# KiCad board keyboard.kicad_pcb (continued)
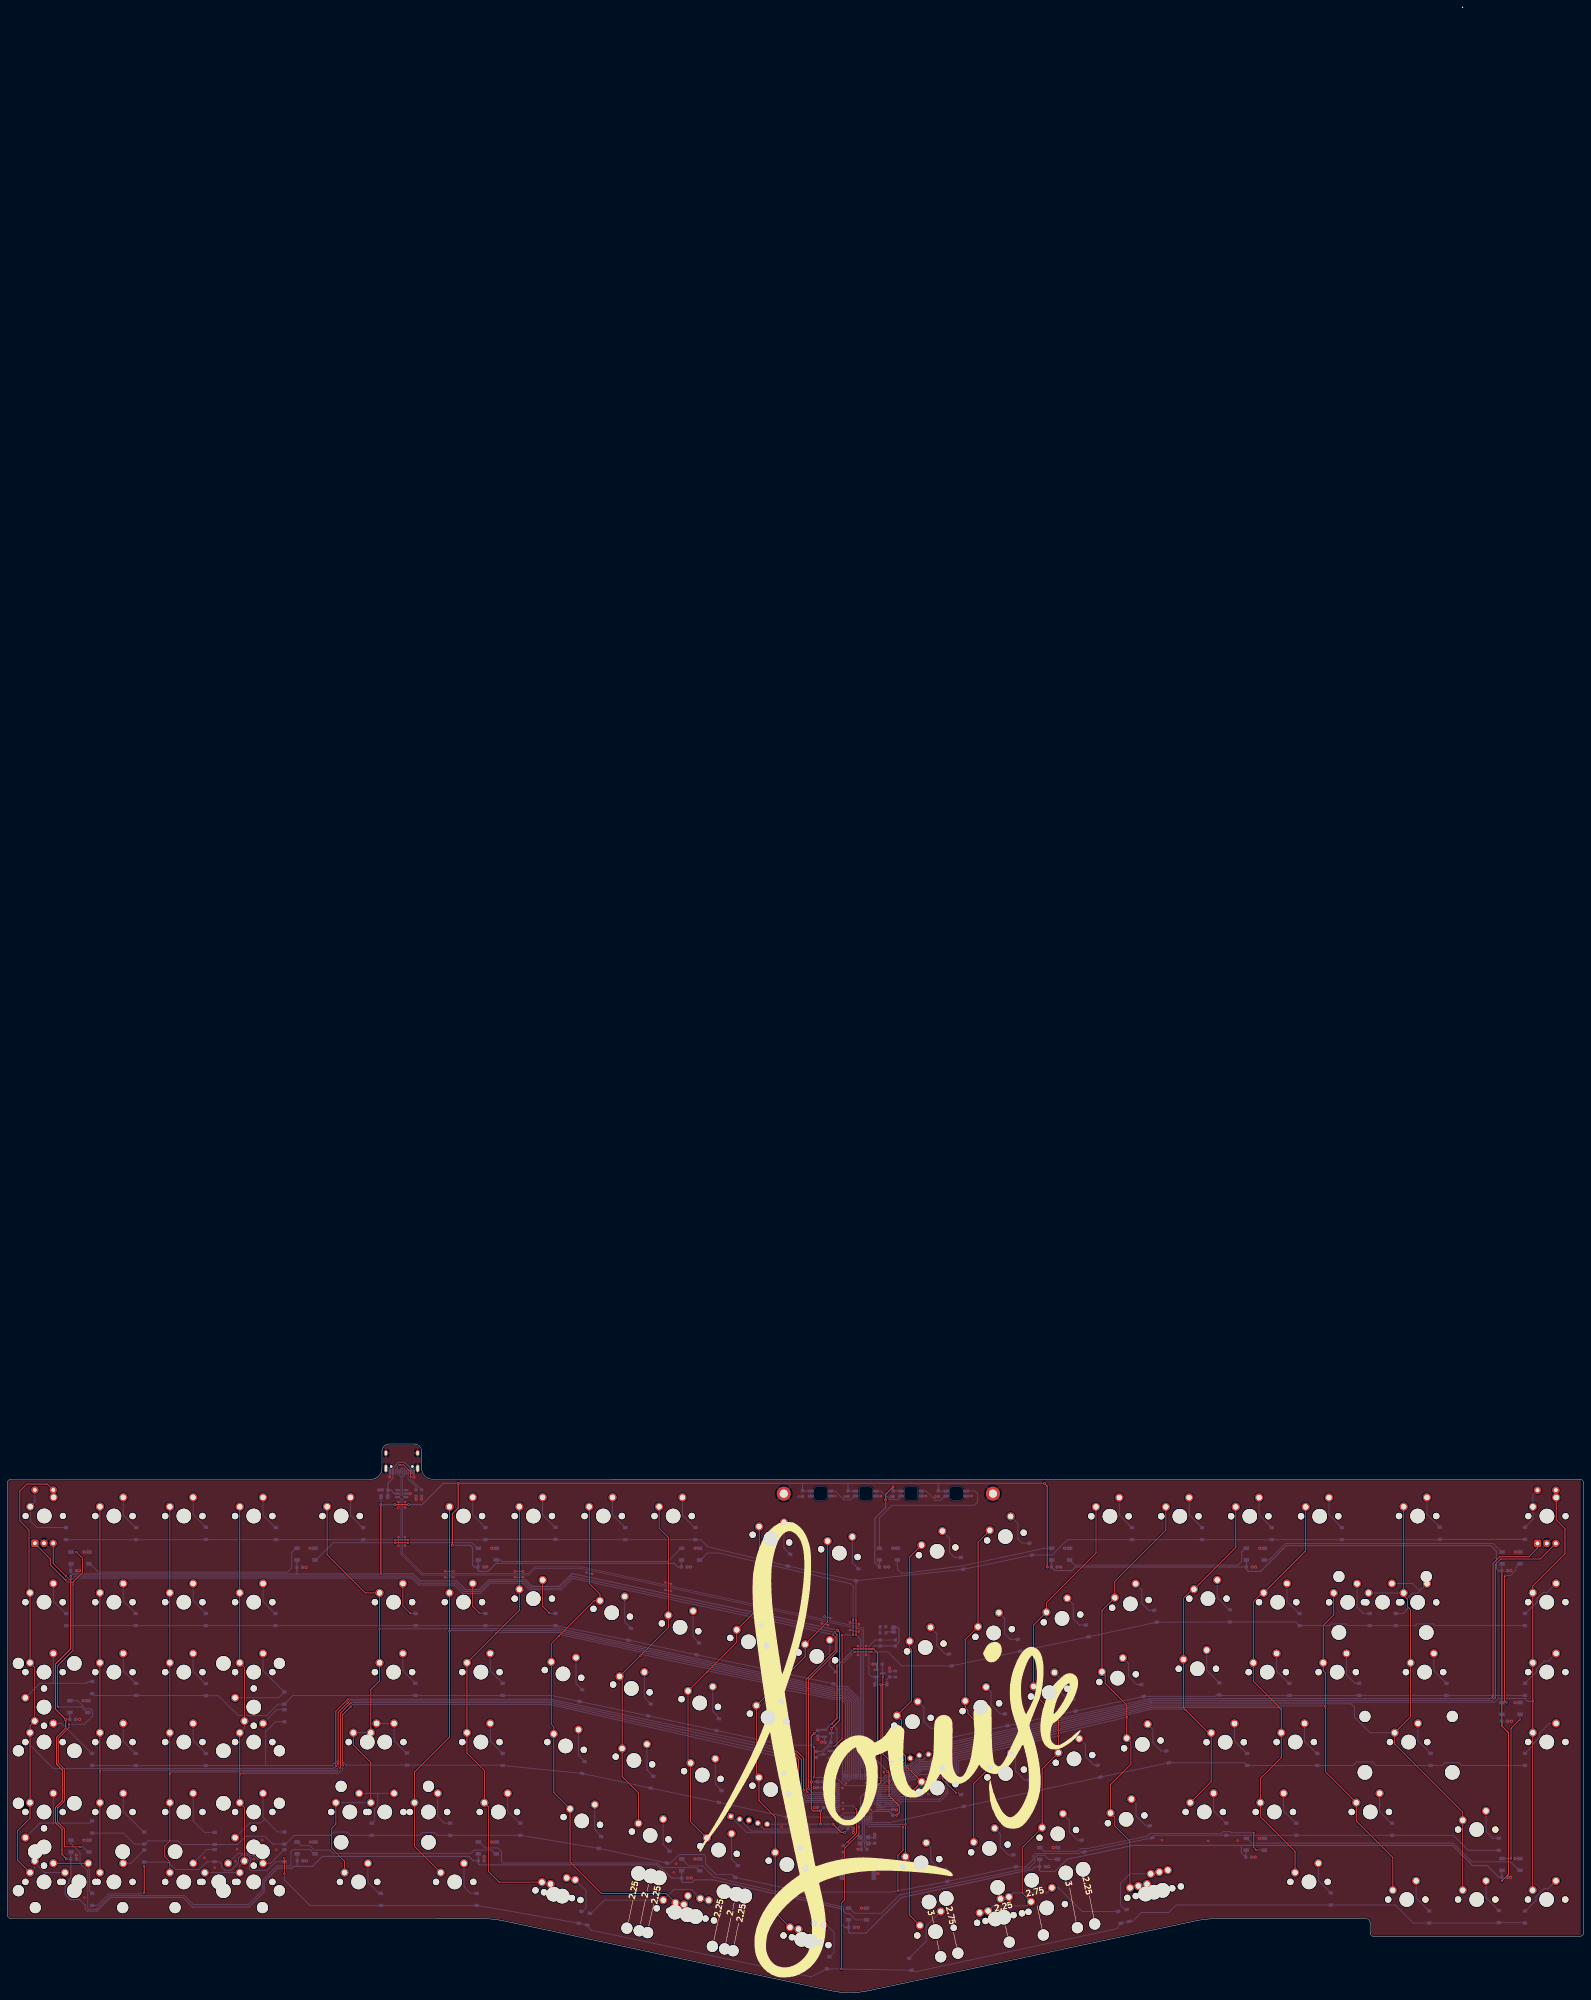
[diagram p0: board, top side]
## Library data of the parts
BZ1 = -: MPN: PKMCS0909E; Manufacturer: Murata Electronics
C1-C6 C8-C11 C13 C14 C16-C23 C30-C36 = -: LCSC: C14663; MPN: CC0603KRX7R9BB104; Manufacturer: YAGEO
C7 C12 C15 C24 C28 C29 = -: LCSC: C19666; MPN: CL10A475KO8NNNC; Manufacturer: Samsung Electro-Mechanics
C25 = -: LCSC: C96446; MPN: CL10A106MA8NRNC; Manufacturer: Samsung Electro-Mechanics
C26 C27 = -: LCSC: C1644; MPN: CL10C150JB8NNNC; Manufacturer: Samsung Electro-Mechanics
D1-D6 D11-D16 D21-D26 D29-D34 D38-D43 D47-D50 D54-D59 D61-D96 D98-D133 = -: LCSC: C81598; MPN: 1N4148W; Manufacturer: Semtech
D7-D10 D17-D20 D27 D28 D35-D37 D45 D51 D53 D134 D135 = -: LCSC: C2761795; MPN: WS2812B-B/W; Manufacturer: Worldsemi
D44 D46 D52 D60 = -: Manufacturer: Shenzhen LED Color
D97 = -: LCSC: C72041; MPN: 19-217/BHC-ZL1M2RY/3T; Manufacturer: Everlight Elec
F1 = -: LCSC: C66452; MPN: SMD0805-050; Manufacturer: TECHFUSE
H1 H2 J2 J3 JP1 LOGO2 LOGO3 SW1-SW56 SW58-SW129 = -: DNP: DNP
J1 = -: LCSC: C165948; MPN: TYPE-C-31-M-12; Manufacturer: Korean Hroparts Elec
Q1 = -: LCSC: C8545; Manufacturer: Changjiang Electronics Tech (CJ)
Q2 = -: LCSC: C145108; MPN: DDTC123JCA-7-F; Manufacturer: Diodes Incorporated
R1-R4 R6 = -: LCSC: C23186; MPN: 0603WAF5101T5E; Manufacturer: UNI-ROYAL(Uniroyal Elec)
R5 = -: LCSC: C25803; MPN: 0603WAF1003T5E; Manufacturer: UNI-ROYAL(Uniroyal Elec)
R7 = -: LCSC: C22843; MPN: 0603WAF1501T5E; Manufacturer: UNI-ROYAL(Uniroyal Elec)
R8 = -: LCSC: C23345; MPN: 0603WAF220JT5E; Manufacturer: UNI-ROYAL(Uniroyal Elec)
SW57 = -: LCSC: C99271; MPN: KMR231GLFS; Manufacturer: C&K
U1 = -: LCSC: C85364; MPN: XC6206P332MR; Manufacturer: ProTek Devices
U2 = -: LCSC: C5446; Manufacturer: Torex Semicon
U3 = -: LCSC: C130453; Manufacturer: STMicroelectronics
Y1 = -: LCSC: C403948; MPN: TAXM8M4RFDCET2T; Manufacturer: TAE(Zhejiang Abel Elec)

## Footprints (pads in the part's own frame, mm; a bottom-side part is the same pattern mirrored in y, then rotated)
5_PIN_THT_Staggered
  rrect 1.7x1.7 hole 1: 1(0.127,0)
  oval 1.7x1.7 hole 1: 2(-0.127,-2.54) 3(0.127,-5.08) 4(-0.127,-7.62) 5(0.127,-10.16)
Buzzer_Murata_PKMCS0909E
  rect 1.3x3.4 smd: 1(-4.35,0) 2(4.35,0)
C_0603_1608Metric
  rrect 0.9x0.95 smd: 1(-0.775,0) 2(0.775,0)
Crystal_SMD_3225-4Pin_3.2x2.5mm
  rrect 1.4x1.2 smd: 1(-1.1,-0.85) 2(1.1,-0.85) 3(1.1,0.85) 4(-1.1,0.85)
D_SOD-123
  rect 0.9x1.2 smd: 1(-1.65,0) 2(1.65,0)
Fuse_0805_2012Metric
  rrect 0.975x1.4 smd: 1(-0.938,0) 2(0.938,0)
LED_0603_1608Metric
  rrect 0.875x0.95 smd: 1(-0.787,0) 2(0.787,0)
LED_WS2812B_PLCC4_5.0x5.0mm_P3.2mm
  rect 1.5x1 smd: 1(-2.45,1.6) 2(-2.45,-1.6) 3(2.45,-1.6) 4(2.45,1.6)
LQFP-64_10x10mm_P0.5mm
  rrect 1.55x0.3 smd: 1(-5.675,3.75) 2(-5.675,3.25) 3(-5.675,2.75) 4(-5.675,2.25) 5(-5.675,1.75) 6(-5.675,1.25) 7(-5.675,0.75) 8(-5.675,0.25) 9(-5.675,-0.25) 10(-5.675,-0.75) 11(-5.675,-1.25) 12(-5.675,-1.75) 13(-5.675,-2.25) 14(-5.675,-2.75) 15(-5.675,-3.25) 16(-5.675,-3.75) 33(5.675,-3.75) 34(5.675,-3.25) 35(5.675,-2.75) 36(5.675,-2.25) 37(5.675,-1.75) 38(5.675,-1.25) 39(5.675,-0.75) 40(5.675,-0.25) 41(5.675,0.25) 42(5.675,0.75) 43(5.675,1.25) 44(5.675,1.75) 45(5.675,2.25) 46(5.675,2.75) 47(5.675,3.25) 48(5.675,3.75)
  rrect 0.3x1.55 smd: 17(-3.75,-5.675) 18(-3.25,-5.675) 19(-2.75,-5.675) 20(-2.25,-5.675) 21(-1.75,-5.675) 22(-1.25,-5.675) 23(-0.75,-5.675) 24(-0.25,-5.675) 25(0.25,-5.675) 26(0.75,-5.675) 27(1.25,-5.675) 28(1.75,-5.675) 29(2.25,-5.675) 30(2.75,-5.675) 31(3.25,-5.675) 32(3.75,-5.675) 49(3.75,5.675) 50(3.25,5.675) 51(2.75,5.675) 52(2.25,5.675) 53(1.75,5.675) 54(1.25,5.675) 55(0.75,5.675) 56(0.25,5.675) 57(-0.25,5.675) 58(-0.75,5.675) 59(-1.25,5.675) 60(-1.75,5.675) 61(-2.25,5.675) 62(-2.75,5.675) 63(-3.25,5.675) 64(-3.75,5.675)
MountingHole_2.2mm_M2_DIN965_Pad
  round 3.8 hole 2.2: 1(0,0)
MX_KEYSWITCH_ENCODER
  round 1.7 hole 1.7 unplated: (-5.02,0.02) (5.14,0.02)
  round 4 hole 4 unplated: (0.06,0.02)
  rrect 2x2 hole 1: A(-2.5,-7.4)
  round 2 hole 1: B(2.5,-7.4) C(0,-7.4) S1(2.5,7.1) S2(-2.5,7.1)
  round 2.2 hole 1.5: S1(2.6,5.1) S2(-3.75,2.56)
MXOnly-1.5U-NoLED
  round 1.75 hole 1.75 unplated: (-5.08,0) (5.08,0)
  round 3.988 hole 3.988 unplated: (0,0)
  round 2.25 hole 1.47: 1(-3.81,2.54) 2(2.54,5.08)
MXOnly-1.25U-NoLED
  round 1.75 hole 1.75 unplated: (-5.08,0) (5.08,0)
  round 3.988 hole 3.988 unplated: (0,0)
  round 2.25 hole 1.47: 1(-3.81,2.54) 2(2.54,5.08)
MXOnly-1.75U-NoLED
  round 1.75 hole 1.75 unplated: (-5.08,0) (5.08,0)
  round 3.988 hole 3.988 unplated: (0,0)
  round 2.25 hole 1.47: 1(-3.81,2.54) 2(2.54,5.08)
MXOnly-1U-NoLED
  round 1.75 hole 1.75 unplated: (-5.08,0) (5.08,0)
  round 3.988 hole 3.988 unplated: (0,0)
  round 2.25 hole 1.47: 1(-3.81,2.54) 2(2.54,5.08)
MXOnly-2.25U-NoLED
  round 3.048 hole 3.048 unplated: (-11.906,6.985) (11.906,6.985)
  round 3.988 hole 3.988 unplated: (-11.906,-8.255) (0,0) (11.906,-8.255)
  round 1.75 hole 1.75 unplated: (-5.08,0) (5.08,0)
  round 2.25 hole 1.47: 1(-3.81,2.54) 2(2.54,5.08)
MXOnly-2.25U-ReversedStabilizers-NoLED
  round 3.988 hole 3.988 unplated: (-11.906,8.255) (0,0) (11.906,8.255)
  round 3.048 hole 3.048 unplated: (-11.906,-6.985) (11.906,-6.985)
  round 1.75 hole 1.75 unplated: (-5.08,0) (5.08,0)
  round 2.25 hole 1.47: 1(-3.81,2.54) 2(2.54,5.08)
MXOnly-2.75U-ReversedStabilizers-NoLED
  round 3.988 hole 3.988 unplated: (-11.906,8.255) (0,0) (11.906,8.255)
  round 3.048 hole 3.048 unplated: (-11.906,-6.985) (11.906,-6.985)
  round 1.75 hole 1.75 unplated: (-5.08,0) (5.08,0)
  round 2.25 hole 1.47: 1(-3.81,2.54) 2(2.54,5.08)
MXOnly-2U-NoLED
  round 3.048 hole 3.048 unplated: (-11.906,6.985) (11.906,6.985)
  round 3.988 hole 3.988 unplated: (-11.906,-8.255) (0,0) (11.906,-8.255)
  round 1.75 hole 1.75 unplated: (-5.08,0) (5.08,0)
  round 2.25 hole 1.47: 1(-3.81,2.54) 2(2.54,5.08)
MXOnly-2U-ReversedStabilizers-NoLED
  round 3.988 hole 3.988 unplated: (-11.906,8.255) (0,0) (11.906,8.255)
  round 3.048 hole 3.048 unplated: (-11.906,-6.985) (11.906,-6.985)
  round 1.75 hole 1.75 unplated: (-5.08,0) (5.08,0)
  round 2.25 hole 1.47: 1(-3.81,2.54) 2(2.54,5.08)
MXOnly-3U-ReversedStabilizers-NoLED
  round 3.988 hole 3.988 unplated: (-19.05,8.255) (0,0) (19.05,8.255)
  round 3.048 hole 3.048 unplated: (-19.05,-6.985) (19.05,-6.985)
  round 1.75 hole 1.75 unplated: (-5.08,0) (5.08,0)
  round 2.25 hole 1.47: 1(-3.81,2.54) 2(2.54,5.08)
R_0603_1608Metric
  rrect 0.8x0.95 smd: 1(-0.825,0) 2(0.825,0)
SK8612-MINI-E
  rrect 1.55x0.81 smd far side: 1(-2.7,0.7) 4(2.8,0.7)
  rrect 1.55x0.82 smd far side: 2(-2.7,-0.66)
  rect 1.55x0.82 smd far side: 3(2.8,-0.66)
SolderJumper-2_P1.3mm_Bridged_RoundedPad1.0x1.5mm
  custom 1x1.5 smd: 1(-0.65,0) 2(0.65,0)
SOT-23
  rrect 1.475x0.6 smd: 1(-0.938,0.95) 2(-0.938,-0.95) 3(0.938,0)
SOT-23-6
  rrect 1.325x0.6 smd: 1(-1.137,0.95) 2(-1.137,0) 3(-1.137,-0.95) 4(1.137,-0.95) 5(1.137,0) 6(1.137,0.95)
SW_Push_KMR2
  rrect 0.9x1 smd: 1(-2.05,0.8) 1(2.05,0.8) 2(-2.05,-0.8) 2(2.05,-0.8)
USB_C_Receptacle_HRO_TYPE-C-31-M-12
  rrect 1.5x2.1 smd: (-4.55,-1.05) (4.55,-1.05)
  rrect 1.5x2.5 smd: (-4.55,3.13) (4.55,3.13)
  round 0.65 hole 0.65 unplated: (-2.89,2.6) (2.89,2.6)
  rrect 0.6x1.45 smd: A1(-3.25,4.045) A4(-2.45,4.045) A9(2.45,4.045) A12(3.25,4.045) B1(3.25,4.045) B4(2.45,4.045) B9(-2.45,4.045) B12(-3.25,4.045)
  rrect 0.3x1.45 smd: A5(-1.25,4.045) A6(-0.25,4.045) A7(0.25,4.045) A8(1.25,4.045) B5(1.75,4.045) B6(0.75,4.045) B7(-0.75,4.045) B8(-1.75,4.045)
  oval 1x1.6 hole 0.6x1.2: S1(-4.32,-1.05) S1(4.32,-1.05)
  oval 1x2.1 hole 0.6x1.7: S1(-4.32,3.13) S1(4.32,3.13)

## Nets
+3V3: C15.2 C28.1 C29.1 C30.1 C31.1 C32.1 C33.1 C34.1 J2.5 J3.5 JP1.2 Q1.1 R1.1 R7.1 SW57.1 U2.2 U3.1 U3.13 U3.19 U3.32 U3.48 U3.64
+5V: C1.2 C2.2 C3.2 C4.2 C5.2 C6.2 C8.2 C9.2 C10.2 C11.2 C12.2 C13.2 C14.2 C16.2 C17.2 C18.2 C19.2 C20.2 C21.2 C22.2 C23.2 C35.2 C36.2 D7.1 D8.1 D9.1 D10.1 D17.1 D18.1 D19.1 D20.1 D27.1 D28.1 D35.1 D36.1 D37.1 D44.1 D45.1 D46.1 D51.1 D52.1 D53.1 D60.1 D134.1 D135.1 F1.1 R2.1 U2.3
GND: BZ1.2 C1.1 C2.1 C3.1 C4.1 C5.1 C6.1 C7.1 C8.1 C9.1 C10.1 C11.1 C12.1 C13.1 C14.1 C15.1 C16.1 C17.1 C18.1 C19.1 C20.1 C21.1 C22.1 C23.1 C24.2 C25.2 C26.2 C27.2 C28.2 C29.2 C30.2 C31.2 C32.2 C33.2 C34.2 C35.1 C36.1 D7.3 D8.3 D9.3 D10.3 D17.3 D18.3 D19.3 D20.3 D27.3 D28.3 D35.3 D36.3 D37.3 D44.3 D45.3 D46.3 D51.3 D52.3 D53.3 D60.3 D97.1 D134.3 D135.3 H1.1 H2.1 J1.A1 J1.A12 J1.B1 J1.B12 J1.S1 J2.3 J3.3 Q2.2 R3.1 R4.2 R5.2 SW1.C SW124.C U1.2 U2.1 U3.12 U3.31 U3.47 U3.63 Y1.2 Y1.4
VBUS: C7.2 F1.2 J1.A4 J1.A9 J1.B4 J1.B9 U1.5
/BOOT0: C25.1 D73.1 R5.1 U3.60
/BUZZER: R8.1 U3.20
/col0: SW1.S1 SW2.1 SW3.1 SW4.1 SW5.1 SW6.1 SW7.1 SW8.1 SW9.1 U3.25
/col1: SW10.1 SW11.1 SW12.1 SW13.1 SW14.1 SW15.1 U3.24
/col2: SW16.1 SW17.1 SW18.1 SW19.1 SW20.1 SW21.1 U3.23
/col3: SW22.1 SW23.1 SW24.1 SW25.1 SW26.1 SW27.1 SW28.1 SW29.1 SW30.1 U3.22
/col4: SW31.1 SW32.1 SW33.1 SW34.1 SW35.1 SW36.1 SW37.1 SW38.1 U3.40
/col5: SW39.1 SW40.1 SW41.1 SW42.1 U3.39
/col6: SW43.1 SW44.1 SW45.1 SW46.1 SW47.1 SW48.1 SW128.1 U3.38
/col7: SW49.1 SW50.1 SW51.1 SW52.1 SW53.1 SW54.1 SW55.1 SW129.2 U3.37
/col8: SW58.1 SW59.1 SW60.1 SW61.1 SW62.1 U3.35
/col9: SW64.1 SW65.1 SW66.1 SW67.1 SW68.1 U3.34
/col10: SW56.1 SW63.1 SW72.1 SW73.1 SW74.1 SW75.1 SW76.1 U3.33
/col11: SW69.1 SW78.1 SW79.1 SW80.1 SW81.1 SW82.1 U3.3
/col12: SW85.1 SW86.1 SW87.1 SW88.1 SW89.1 U3.62
/col13: SW70.1 SW71.1 SW77.1 SW91.1 SW92.1 SW93.1 SW94.1 SW95.1 U3.61
/col14: SW83.1 SW84.1 SW90.1 SW96.1 SW97.1 SW98.1 SW99.1 SW100.1 U3.59
/col15: SW101.1 SW102.1 SW103.1 SW104.1 SW105.1 U3.58
/col16: SW106.1 SW107.1 SW108.1 SW109.1 SW110.1 SW111.1 U3.57
/col17: SW112.1 SW114.1 SW115.1 SW117.1 U3.56
/col18: SW113.1 SW116.1 SW118.1 SW119.1 SW120.1 SW121.1 SW122.1 U3.55
/col19: SW123.1 SW124.S1 SW125.1 SW126.1 SW127.1 U3.53
/ENC0_A: SW1.A U3.29
/ENC0_B: SW1.B U3.30
/ENC1_A: SW124.A U3.51
/ENC1_B: SW124.B U3.52
/nRST: C24.1 J2.1 Q2.3 U3.7
/RGB_UG: Q1.2 R1.2 U3.36
/row0: D6.1 D11.1 D21.1 D29.1 D38.1 D47.1 D54.1 D61.1 D67.1 D74.1 D80.1 D86.1 D91.1 D98.1 D103.1 D108.1 D114.1 D120.1 D133.1 U3.42
/row1: D1.1 D12.1 D22.1 D30.1 D39.1 D48.1 D55.1 D62.1 D68.1 D75.1 D81.1 D87.1 D92.1 D99.1 D104.1 D109.1 D115.1 D121.1 D126.1 D130.1 U3.41
/row2: D2.1 D13.1 D23.1 D31.1 D40.1 D56.1 D63.1 D69.1 D76.1 D82.1 D88.1 D93.1 D100.1 D105.1 D110.1 D116.1 D122.1 D127.1 D131.1 U3.50
/row3: D3.1 D14.1 D24.1 D32.1 D41.1 D57.1 D64.1 D70.1 D77.1 D83.1 D89.1 D94.1 D101.1 D106.1 D111.1 D117.1 D123.1 D132.1 U3.2
/row4: D4.1 D15.1 D25.1 D33.1 D42.1 D49.1 D58.1 D65.1 D71.1 D78.1 D84.1 D90.1 D95.1 D102.1 D107.1 D112.1 D118.1 D124.1 D128.1 U3.4
/row5: D5.1 D16.1 D26.1 D34.1 D43.1 D50.1 D59.1 D66.1 D72.1 D79.1 D85.1 D96.1 D113.1 D119.1 D125.1 D129.1 U3.8
/SPARE_0: J3.1 U3.14
/SPARE_1: J3.2 U3.15
/SPARE_2: J3.4 U3.16
/SWDCLK: J2.4 U3.49
/SWDIO: J2.2 U3.46
/USB+: J1.A6 J1.B6 R7.2 U1.3 U3.45
/USB-: J1.A7 J1.B7 U1.4 U3.44
/XTAL_0: C26.1 U3.5 Y1.3
/XTAL_1: C27.1 U3.6 Y1.1
Net-(BZ1-Pad1): BZ1.1 R8.2
Net-(D1-Pad2): D1.2 SW5.2
Net-(D2-Pad2): D2.2 SW6.2 SW7.2
Net-(D3-Pad2): D3.2 SW2.2
Net-(D4-Pad2): D4.2 SW3.2 SW8.2
Net-(D5-Pad2): D5.2 SW4.2 SW9.2
Net-(D6-Pad2): D6.2 SW1.S2
Net-(D7-Pad2): D7.2 D9.4
Net-(D7-Pad4): D7.4 Q1.3 R2.2
Net-(D10-Pad2): D10.2 D18.4
Net-(D10-Pad4): D8.2 D10.4
Net-(D11-Pad2): D11.2 SW10.2
Net-(D12-Pad2): D12.2 SW11.2
Net-(D13-Pad2): D13.2 SW12.2
Net-(D14-Pad2): D14.2 SW13.2
Net-(D15-Pad2): D15.2 SW14.2
Net-(D16-Pad2): D16.2 SW15.2
Net-(D17-Pad2): D17.2 D19.4
Net-(D18-Pad2): D18.2 D20.4
Net-(D19-Pad2): D19.2 D27.4
Net-(D20-Pad2): D20.2 D28.4
Net-(D21-Pad2): D21.2 SW16.2
Net-(D22-Pad2): D22.2 SW17.2
Net-(D23-Pad2): D23.2 SW18.2
Net-(D24-Pad2): D24.2 SW19.2
Net-(D25-Pad2): D25.2 SW20.2
Net-(D26-Pad2): D26.2 SW21.2
Net-(D27-Pad2): D27.2 D35.4
Net-(D28-Pad2): D28.2 D36.4
Net-(D29-Pad2): D29.2 SW25.2
Net-(D30-Pad2): D30.2 SW26.2
Net-(D31-Pad2): D31.2 SW22.2 SW27.2
Net-(D32-Pad2): D32.2 SW28.2
Net-(D33-Pad2): D33.2 SW23.2 SW29.2
Net-(D34-Pad2): D34.2 SW24.2 SW30.2
Net-(D35-Pad2): D35.2 D37.4
Net-(D37-Pad2): D37.2 D45.4
Net-(D38-Pad2): D38.2 SW33.2
Net-(D39-Pad2): D39.2 SW34.2
Net-(D40-Pad2): D40.2 SW35.2
Net-(D41-Pad2): D41.2 SW31.2 SW36.2
Net-(D42-Pad2): D42.2 SW32.2 SW37.2
Net-(D43-Pad2): D43.2 SW38.2
Net-(D44-Pad2): D44.2 D46.4
Net-(D45-Pad2): D45.2 D51.4
Net-(D46-Pad2): D46.2 D52.4
Net-(D47-Pad2): D47.2 SW39.2
Net-(D48-Pad2): D48.2 SW40.2
Net-(D49-Pad2): D49.2 SW41.2
Net-(D50-Pad2): D50.2 SW42.2
Net-(D51-Pad2): D51.2 D53.4
Net-(D52-Pad2): D52.2 D60.4
Net-(D53-Pad2): D8.4 D53.2
Net-(D54-Pad2): D54.2 SW43.2
Net-(D55-Pad2): D55.2 SW44.2
Net-(D56-Pad2): D56.2 SW45.2
Net-(D57-Pad2): D57.2 SW46.2
Net-(D58-Pad2): D58.2 SW47.2
Net-(D59-Pad2): D59.2 SW48.2 SW128.2
Net-(D61-Pad2): D61.2 SW50.2
Net-(D62-Pad2): D62.2 SW51.2
Net-(D63-Pad2): D63.2 SW52.2
Net-(D64-Pad2): D64.2 SW53.2
Net-(D65-Pad2): D65.2 SW54.2
Net-(D66-Pad2): D66.2 SW49.2 SW55.2 SW129.1
Net-(D67-Pad2): D67.2 SW58.2
Net-(D68-Pad2): D68.2 SW59.2
Net-(D69-Pad2): D69.2 SW60.2
Net-(D70-Pad2): D70.2 SW61.2
Net-(D71-Pad2): D71.2 SW62.2
Net-(D72-Pad2): D72.2 SW56.2 SW63.2
Net-(D73-Pad2): D73.2 Q2.1 SW57.2
Net-(D74-Pad2): D74.2 SW64.2
Net-(D75-Pad2): D75.2 SW65.2
Net-(D76-Pad2): D76.2 SW66.2
Net-(D77-Pad2): D77.2 SW67.2
Net-(D78-Pad2): D78.2 SW68.2
Net-(D79-Pad2): D79.2 SW69.2
Net-(D80-Pad2): D80.2 SW72.2
Net-(D81-Pad2): D81.2 SW73.2
Net-(D82-Pad2): D82.2 SW74.2
Net-(D83-Pad2): D83.2 SW75.2
Net-(D84-Pad2): D84.2 SW76.2
Net-(D85-Pad2): D85.2 SW70.2 SW71.2 SW77.2
Net-(D86-Pad2): D86.2 SW78.2
Net-(D87-Pad2): D87.2 SW79.2
Net-(D88-Pad2): D88.2 SW80.2
Net-(D89-Pad2): D89.2 SW81.2
Net-(D90-Pad2): D90.2 SW82.2
Net-(D91-Pad2): D91.2 SW85.2
Net-(D92-Pad2): D92.2 SW86.2
Net-(D93-Pad2): D93.2 SW87.2
Net-(D94-Pad2): D94.2 SW88.2
Net-(D95-Pad2): D95.2 SW89.2
Net-(D96-Pad2): D96.2 SW83.2 SW84.2 SW90.2
Net-(D97-Pad2): D97.2 R6.2
Net-(D98-Pad2): D98.2 SW91.2
Net-(D99-Pad2): D99.2 SW92.2
Net-(D100-Pad2): D100.2 SW93.2
Net-(D101-Pad2): D101.2 SW94.2
Net-(D102-Pad2): D102.2 SW95.2
Net-(D103-Pad2): D103.2 SW96.2
Net-(D104-Pad2): D104.2 SW97.2
Net-(D105-Pad2): D105.2 SW98.2
Net-(D106-Pad2): D106.2 SW99.2
Net-(D107-Pad2): D107.2 SW100.2
Net-(D108-Pad2): D108.2 SW101.2
Net-(D109-Pad2): D109.2 SW102.2
Net-(D110-Pad2): D110.2 SW103.2
Net-(D111-Pad2): D111.2 SW104.2
Net-(D112-Pad2): D112.2 SW105.2
Net-(D113-Pad2): D113.2 SW106.2
Net-(D114-Pad2): D114.2 SW107.2
Net-(D115-Pad2): D115.2 SW108.2
Net-(D116-Pad2): D116.2 SW109.2
Net-(D117-Pad2): D117.2 SW110.2
Net-(D118-Pad2): D118.2 SW111.2
Net-(D119-Pad2): D119.2 SW112.2
Net-(D120-Pad2): D120.2 SW113.2
Net-(D121-Pad2): D121.2 SW114.2
Net-(D122-Pad2): D122.2 SW115.2
Net-(D123-Pad2): D123.2 SW116.2
Net-(D124-Pad2): D124.2 SW117.2
Net-(D125-Pad2): D125.2 SW118.2
Net-(D126-Pad2): D126.2 SW119.2 SW120.2
Net-(D127-Pad2): D127.2 SW121.2
Net-(D128-Pad2): D128.2 SW122.2
Net-(D129-Pad2): D129.2 SW123.2
Net-(D130-Pad2): D130.2 SW125.2
Net-(D131-Pad2): D131.2 SW126.2
Net-(D132-Pad2): D132.2 SW127.2
Net-(D133-Pad2): D133.2 SW124.S2
Net-(D134-Pad2): D44.4 D134.2
Net-(D134-Pad4): D36.2 D134.4
Net-(D135-Pad2): D17.4 D135.2
Net-(D135-Pad4): D9.2 D135.4
Net-(J1-PadA5): J1.A5 R3.2
Net-(J1-PadB5): J1.B5 R4.1
Net-(JP1-Pad1): JP1.1 R6.1

Pads without a net: D60 2; J1 A8 B8; U1 1 6; U3 9 10 11 17 18 21 26 27 28 43 54

## Via types
v1: diameter 0.6, hole 0.3, Top to Bottom, 173 vias
v2: diameter 0.8, hole 0.4, Top to Bottom, 78 vias

## Routing (per net, layer and track width the routed paths; a pad name or vN(x,y) marks a point on that pad's centre or on a via; arc(x,y) is an arc through that point)
+3V3: length 203.7
  Top w0.3: v1(224.6,73.22) 226.1,74.72 v1(226.1,89.04) ; v2(221.65,45.9) 221.6,45.95 v2(221.6,49.52) 219.6,49.52 219.1,50.02 v2(219.1,57.42) 219.1,69.84 v2(219.9,70.64) ; v2(225,45.94) 227.3,43.64 v2(228.2,43.64) ; v2(242.4,48.32) 243.1,49.02 243.1,50.84 240.3,53.64 v2(240.3,57.34) 240.3,59.84 v2(239.9,60.24) ; v1(230.8,93.62) v1(235.5,93.62) 236.13,93.62 237.2,92.54 v2(237.2,65.14)
  Bottom w0.3: v1(230.8,93.62) 226.23,89.04 v1(226.1,89.04) ; Q1.1 225.25,65.82 225.38,65.69 R1.1 226.1,71.82 224.7,73.22 v1(224.6,73.22) 223,71.62 U2.2 221.7,71.62 221.53,71.44 C15.2 220.04,70.64 v2(219.9,70.64) ; v2(221.6,49.52) 221.6,49.64 222.38,50.42 222.42,50.37 U3.19 ; v2(219.1,57.42) 220.78,57.42 C28.1 220.83,57.37 C33.1 223.55,57.37 224.05,56.87 U3.32 ; 236.08,64.02 236.08,66.17 ; 236.08,64.02 237.2,65.14 v2(237.2,65.14) ; 236.08,64.02 236.13,64.02 v2(239.9,60.24) ; 236.08,64.02 236.08,62.52 236.1,62.49 236.1,61.32 235.55,60.77 U3.48 ; v2(225,45.94) 224.95,45.9 v2(221.65,45.9) J3.5 ; v2(228.2,43.64) 229.03,44.47 C30.1 229.55,45.24 U3.13 ; J2.5 249.59,63.43 248.01,63.43 246.03,61.44 244.8,61.44 241.12,57.77 240.73,57.77 v2(240.3,57.34) ; U3.1 235.55,48.87 236.05,49.37 U3.64 240.35,49.37 241.4,48.32 v2(242.4,48.32) ; v1(235.5,93.62) 236.33,94.44 SW57.1 SW57.1 243,95.44 243,99.14 242.6,99.54 JP1.2
+5V: length 1398
  Top w0.3: v1(407.3,113.92) v1(407.3,72.82) 407.3,72.62 409.1,70.82 409.1,32.22 v1(407.3,30.42) ; v2(121.3,121.84) 121.3,130.44 122.87,132.02 v2(122.87,138.72) ; v2(101.8,132.92) v1(101.8,114.09) ; v2(282.63,138.72) 283.4,137.94 v2(283.4,115.94) ; v2(109.3,132.92) v2(105.6,132.92) ; v2(16.1,36.42) 14.9,37.62 14.9,44.52 13.1,46.32 13.1,50.42 15,52.32 15,60.62 13.4,62.22 13.4,69.52 15.9,72.02 v2(15.9,74.42) 13.1,77.22 13.1,89.52 17.29,93.71 v2(17.29,113.42) ; v2(239.35,134.19) 239.35,135.69 v2(241.4,137.74) ; v2(224.6,71.94) 226.81,74.15 226.81,91.04 226.8,91.05 226.8,98.14 v2(226.2,98.74)
  Bottom w0.3: C11.2 128.38,37.79 D37.1 ; C11.2 127,35.92 125.8,37.12 85.87,37.12 83.17,34.42 78.99,34.42 ; C11.2 128.38,35.04 128.6,34.82 177.03,34.82 178.28,33.57 178.68,33.57 181.03,31.22 C10.2 ; 241.4,138.72 C22.2 243.49,136.69 D46.1 ; 241.4,138.72 229.2,138.72 ; 241.4,138.72 253.7,138.72 ; 78.9,114.04 78.93,114.07 C35.2 78.93,117.82 D135.1 ; 78.9,114.04 17.91,114.04 v2(17.29,113.42) C17.2 17.29,116.76 D17.1 ; 78.9,114.04 101.75,114.04 v1(101.8,114.09) 110.55,114.09 112.5,112.14 122.5,112.14 124.9,109.74 128.6,109.74 131.3,112.44 141.2,112.44 143,110.64 150.4,110.64 153.9,114.14 v2(226.2,98.74) ; C3.2 407.29,113.93 v1(407.3,113.92) ; C3.2 406.33,114.92 405.8,115.44 405.8,120.24 404.3,121.74 348.6,121.74 341.6,114.74 338.2,114.74 337.69,115.26 C2.2 ; C3.2 407.29,116.76 D20.1 ; C9.2 229.28,19.75 ; C9.2 228.2,17.82 227.3,18.72 227.3,22.82 192.4,30.72 187.3,30.72 186.6,30.02 184.1,30.02 183.78,30.34 C10.2 ; C9.2 229.28,16.44 229.5,16.22 234,16.22 243.7,25.92 279.4,33.62 280.1,34.32 C8.2 ; C14.2 17.29,38.26 D27.1 ; C14.2 v2(16.1,36.42) ; C14.2 17.3,36.41 17.3,31.12 16.8,30.62 16.8,29.92 15.8,28.92 15.8,26.74 17.2,25.34 19.67,25.34 21.2,23.82 21.2,22.82 21.8,22.22 24.47,22.22 28.2,25.94 47.87,25.94 50.5,23.32 65.9,23.32 69.97,27.39 69.97,30.19 73.7,33.92 77.47,33.92 77.97,34.42 78.99,34.42 ; 217.3,138.72 229.2,138.72 ; 217.3,138.72 216.8,138.72 216.7,138.62 C21.2 216.78,136.62 D60.1 ; 217.3,138.72 v2(122.87,138.72) 118.8,138.72 113,132.92 v2(109.3,132.92) ; 229.2,138.72 229.1,138.62 C23.2 229.17,136.62 D52.1 ; v2(15.9,74.42) C16.2 17.03,76.26 17.09,76.32 ; D134.1 C36.2 236.4,117.19 236.4,129.14 239.35,132.09 v2(239.35,134.19) ; C18.2 128.29,115.06 128.6,114.74 131,114.74 133.2,116.94 181.7,116.94 182.7,115.94 C1.2 183.69,117.78 D7.1 ; C18.2 127.3,115.94 126.8,116.44 126.8,121.24 126.2,121.84 v2(121.3,121.84) ; C18.2 128.29,117.78 D9.1 ; D44.1 253.78,136.62 C20.2 253.7,138.72 ; 336.3,40.12 306.8,40.12 288.8,36.32 285.5,33.02 281.6,33.02 281.3,33.32 281.3,34.28 C8.2 ; 336.3,40.12 393.83,40.12 399.33,34.62 403.3,34.62 406.5,31.42 C5.2 ; 336.3,40.12 336.3,38.14 C6.2 337.52,38.76 337.59,38.82 ; 78.99,34.42 C13.2 78.99,37.78 D35.1 ; v1(407.3,30.42) 407.3,31.41 C5.2 ; D36.1 284.54,117.78 C19.2 ; C10.2 183.78,33.2 D45.1 ; C5.2 407.29,33.26 D10.1 ; v2(105.6,132.92) 105.58,132.89 101.83,132.89 ; v1(407.3,72.82) 407.29,72.83 C4.2 407.29,75.76 D18.1 ; C8.2 281.34,36.3 D53.1 ; C19.2 v2(283.4,115.94) ; C19.2 285.54,114.94 290.1,114.94 291.1,115.94 C2.2 ; F1.1 101.83,132.89 ; 101.83,132.89 v2(101.8,132.92) ; C2.2 337.69,117.78 ; 253.7,138.72 v2(282.63,138.72) ; R2.1 221.94,65.69 C12.2 224.41,69.14 224.64,69.37 224.64,70.61 U2.3 224.58,71.92 v2(224.6,71.94)
GND: length 139
  Bottom w0.3: C36.1 v2(240.2,115.94) ; v1(234,92.02) v1(234,94.42) ; v1(108.4,133.62) v1(108.4,132.12) ; v1(106.6,133.62) v1(106.6,132.12) ; C9.1 v2(231.9,17.82) ; C35.1 v2(81.4,115.84) ; C22.1 240.77,135.14 v1(240.75,135.12) ; D27.3 v2(20.9,41.52) ; v2(230.59,43.66) 230.58,43.67 230.58,44.72 230.05,45.24 U3.12 ; v1(205.7,106.04) v1(204.1,106.44) ; v1(180.9,111.34) v1(179.3,111.74) ; v2(240.45,88.44) C25.2 240.5,87.61 R5.2 ; v1(140.6,113.14) v1(138.3,113.14) ; v2(110.8,140.42) 110.75,140.47 J1.A12 110.75,142.72 110.92,142.9 111.71,142.9 J1.S1 ; D17.3 v2(20.9,120.02) ; C2.1 v2(340.2,115.94) ; 83.95,41.02 v2(82.6,41.02) ; v1(205.2,104.14) v1(203.6,104.54) ; Y1.2 234.67,42.24 C26.2 v2(236.4,43.14) ; C4.1 v2(409.9,73.92) ; v1(215.6,135.12) 215.63,135.14 C21.1 ; v1(121.6,113.14) v1(119.3,113.14) ; v2(235.9,89.48) C24.2 236.88,88.09 Q2.2 ; v2(221.9,68.22) 221.95,68.17 C12.1 222.7,68.33 U2.1 221.6,69.72 221.42,69.89 C15.1 220.84,69.01 v2(220.9,68.94) ; U3.63 242.25,49.87 v2(242.3,49.82) ; 234.25,23.02 v2(232.8,23.02) ; v1(252.9,135.12) 252.92,135.14 C20.1 ; v1(108.4,121.74) v1(108.4,124.04) ; J1.S1 103.31,142.92 104.06,142.92 104.25,142.72 J1.A1 104.25,140.47 v2(104.2,140.42) ; D10.3 v2(410.9,36.52) ; D7.3 v2(187.4,121.04) ; v2(129.9,37.04) 129.93,37.02 C11.1 ; C7.1 v2(101.2,136.92) ; D20.3 v2(411,120.02) ; C5.1 v2(409.7,31.42) ; D18.3 v2(410.9,79.02) ; v2(231.8,39.04) 231.83,39.02 232.72,39.02 232.72,40.29 ; R4.2 v2(111.4,134.42) ; v1(224.3,102.04) v1(222.7,102.44) ; D135.3 v2(82.5,121.04) ; BZ1.2 v2(237.3,32.42) ; C16.1 v2(19.7,74.42) ; C19.1 v2(287.1,115.94) ; v1(228.2,135.12) 228.22,135.14 C23.1 ; v2(219.9,55.82) 219.92,55.84 C28.2 220.83,55.82 C33.2 223.5,55.82 224.05,56.37 U3.31 ; v1(223.6,100.14) v1(222,100.54) ; v1(180.9,109.34) v1(179.3,109.74) ; C3.1 v2(409.8,114.92) ; D60.3 225.66,135.26 v1(225.7,135.22) ; 342.49,42.02 v2(341.2,42.02) ; D37.3 132.03,41.02 v2(132,41.04) ; v2(234.5,65.02) 234.53,64.99 C29.2 C32.2 234.53,61.29 235.05,60.77 U3.47 ; C10.1 v2(186.4,31.22) ; v1(140.6,114.74) v1(138.3,114.74) ; C1.1 v2(186.2,115.94) ; C18.1 v2(130.7,115.94) ; D36.3 v2(288.15,121.04) ; v2(18.8,37.52) 18.84,37.48 C14.1 ; D46.3 250.36,135.26 v1(250.4,135.22) ; 108.54,135.92 v2(109.8,135.92) ; 342.65,121.04 v2(341.3,121.04) ; C34.2 v2(219.9,50.42) ; D52.3 238.06,135.26 v1(238.1,135.22) ; C17.1 v2(19.7,114.92) ; D9.3 v2(132,121.04) ; v1(232,98.34) v1(229.7,98.74) ; v1(121.6,114.74) v1(119.3,114.74) ; D45.3 v2(187.4,36.42) ; D44.3 262.79,135.26 v1(262.8,135.24) ; D134.3 v2(241.3,121.04) ; 339.08,36.92 v2(340.1,36.92) ; v1(232.1,100.34) v1(229.6,100.84) ; R3.1 v2(112.9,134.42) ; v1(106.6,121.74) v1(106.6,124.04) ; C8.1 v2(283.8,34.32) ; C13.1 v2(81.5,35.92) ; v1(159.4,114.04) v1(157.8,114.44) ; v1(231.8,92.02) v1(231.8,94.42) ; D53.3 v2(285,39.52) ; 21.99,79.52 v2(20.6,79.52)
  vias: v1(21,25.94) v1(53.7,36.74) v1(56.5,34.04) v1(62.2,35.74) v1(62.6,39.04) v1(67.1,36.34) v1(69.5,41.64) v1(73.3,38.94) v1(181.6,32.74) v1(182.3,35.14) v1(211,45.24) v1(218.3,45.24) v1(227.6,55.72) v1(227.7,51.72) v1(227.7,50.02) v1(228.5,57.02) v1(234.1,57.12) v1(235.3,49.82) v1(235.4,54.64) v1(237,61.24) v1(237,59.24) v1(238.9,60.04) v1(245.9,56.14) v1(250.8,58.54) v1(251,54.04) v1(252.9,60.24) v1(256.1,63.24) v1(314.6,41.54) v1(327.3,41.34) v1(335.3,41.44)
VBUS: length 18.5
  Bottom w0.3: C7.2 104.5,136.92 105.5,135.92 U1.5 ; C7.2 103.71,138.73 105.05,140.07 J1.A4 105.05,142.8 106.66,144.42 108.3,144.42 109.95,142.77 J1.A9 ; C7.2 103.71,135.13 F1.2
/BOOT0: length 40.3
  Top w0.25: v1(237.98,83.94) 238.1,83.82 238.1,57.34 v1(236.2,55.44)
  Bottom w0.25: U3.60 236.38,51.37 236.2,51.54 v1(236.2,55.44) ; v1(237.98,83.94) 238.01,83.98 D73.1 239.7,85.26 C25.1 240.5,85.96 R5.1
/BUZZER: length 17.2
  Top w0.25: v1(231.38,49.96) 231.4,49.94 231.4,43.44 v1(228.95,40.99)
  Bottom w0.25: U3.20 230.48,50.87 231.38,49.96 v1(231.38,49.96) ; R8.1 227.92,39.97 v1(228.95,40.99)
/col0: length 389.5
  Top w0.25: v1(89.53,61.69) 89.53,76.64 v1(92.8,79.92) ; v1(215,65.72) 215.2,65.72 217.02,63.89 v1(217.02,55.12) ; SW4.1 2.8,36.09 2.8,44.12 6.19,47.51 SW8.1 SW2.1 6.19,72.7 SW7.1 7.46,88.58 SW6.1 SW5.1 5.9,109.19 5.9,126.02 3.4,128.52 3.4,136.62 5.3,138.52 10.9,138.52 SW1.S1 12.6,136.82 SW1.S1
  Bottom w0.25: SW9.1 10.21,32.7 7.46,35.44 SW3.1 7.46,33.97 SW4.1 ; v1(217.02,55.12) 217.02,54.78 218.43,53.37 U3.25 ; v1(89.53,61.69) 88.86,61.02 12.6,61.02 6.19,67.43 SW2.1 ; v1(92.8,79.92) 92.81,79.93 146.29,79.93 148.1,79.92 v1(215,65.72)
/col1: length 329.1
  Top w0.25: v1(90.15,62.32) 90.15,76.37 92.8,79.01 v1(92.8,79.02) ; v1(216.4,54.52) 216.4,63.52 v1(215,64.92) ; SW10.1 SW11.1 SW12.1 SW13.1 v1(25.24,60.26) SW14.1 SW15.1
  Bottom w0.25: v1(92.8,79.02) 93.26,79.48 146.1,79.48 148.1,79.42 v1(215,64.92) ; v1(25.24,60.26) 25.55,60.57 89.37,60.57 90.15,61.35 v1(90.15,62.32) ; U3.24 218.05,52.87 v1(216.4,54.52)
/col2: length 311.3
  Top w0.25: v1(216.3,53.62) 215.62,54.29 215.62,63.48 215.08,64.02 v1(215,64.02) ; v1(93.58,78.85) 93.55,78.85 90.78,76.08 v1(90.78,61.12) ; SW21.1 44.29,35.63 42.9,37.02 42.9,39.92 44.3,41.32 44.29,41.33 SW20.1 v1(44.29,59.61) SW19.1 SW18.1 SW17.1 SW16.1
  Bottom w0.25: v1(215,64.02) 148.1,78.92 145.8,79.02 93.74,79.02 v1(93.58,78.85) ; U3.23 217.55,52.37 v1(216.3,53.62) ; v1(90.78,61.12) 89.78,60.12 44.8,60.12 v1(44.29,59.61)
/col3: length 302.5
  Top w0.25: v1(91.4,61.92) 91.4,75.72 v1(93.6,77.92) ; SW23.1 64.61,50.48 SW29.1 v1(63.34,59.46) SW28.1 ; SW25.1 SW26.1 SW27.1 64.61,88.58 SW22.1 ; v1(215.4,53.62) 215,54.02 v1(215,63.22)
  Bottom w0.25: v1(215,63.22) 148.1,78.42 145.6,78.52 94.2,78.52 v1(93.6,77.92) ; v1(63.34,59.46) 63.55,59.67 90.21,59.67 91.4,60.86 v1(91.4,61.92) ; SW28.1 64.61,72.07 SW22.1 ; SW23.1 63.34,34.6 SW24.1 SW30.1 ; U3.22 217.15,51.87 v1(215.4,53.62)
/col4: length 281.2
  Top w0.25: SW33.1 87.15,119.27 97.52,108.9 SW34.1 v1(101.44,99.12) SW35.1 101.44,84.91 99.06,82.53 SW36.1 ; SW38.1 91.91,35.75 88.4,39.27 88.4,44.77 89.53,45.9 SW37.1 ; SW31.1 94.3,67.47 99.06,62.71 SW32.1
  Bottom w0.25: SW37.1 SW32.1 ; SW36.1 SW31.1 ; U3.40 231.55,79.87 228.5,82.92 225.2,82.92 150.4,99.12 v1(101.44,99.12)
/col5: length 241
  Top w0.25: SW39.1 SW40.1 120.49,98.43 v1(120.5,98.42) 120.5,69.62 110.97,60.08 SW41.1 110.97,39.84 SW42.1
  Bottom w0.25: v1(120.5,98.42) 120.7,98.62 150.4,98.62 225.2,82.42 228.3,82.42 231.05,79.67 U3.39
/col6: length 246.7
  Top w0.25: SW128.1 134.02,30.09 131.1,33.02 131.1,50.66 SW47.1 130.02,60.5 125.25,65.27 SW46.1 SW45.1 133.3,97.89 v1(133.3,97.92) 139.54,104.16 SW44.1 SW43.1
  Bottom w0.25: SW128.1 146.23,29.57 SW48.1 ; v1(133.3,97.92) 133.5,98.12 150.4,98.12 225.2,81.92 228,81.92 230.55,79.37 U3.38
/col7: length 248.2
  Top w0.25: SW50.1 158.59,111.45 161.51,108.53 SW51.1 159.92,106.75 v1(150.3,97.12) 148.24,95.06 SW52.1 148.24,73.08 148.93,72.38 SW53.1 148.93,54.48 SW54.1 153.36,35.56 161.9,27.02 179.58,27.02 SW55.1
  Bottom w0.25: U3.37 230.05,79.17 227.8,81.42 225.2,81.42 150.7,97.52 v1(150.3,97.12) ; SW55.1 183.9,24.49 SW49.1 185.49,25.08 SW129.2
/col8: length 174.4
  Top w0.25: SW58.1 177.64,126.48 180.15,123.97 SW59.1 180.15,99.41 v1(172.53,91.79) SW60.1 167.57,85.44 SW61.1 167.57,58.85 171.99,54.43 SW62.1
  Bottom w0.25: U3.35 229.05,59.63 229.45,60.03 229.45,79.1 227.64,80.92 225.2,80.92 172.9,92.12 v1(172.53,91.79)
/col9: length 155
  Top w0.25: SW68.1 186.2,46.56 SW67.1 185.5,63.25 SW66.1 v1(190.72,87.39) 198.78,95.45 SW65.1 204.9,104.95 SW64.1
  Bottom w0.25: U3.34 228.55,59.87 229,60.32 229,78.92 227.5,80.42 225.2,80.42 191,87.62 v1(190.72,87.39)
/col10: length 159.8
  Top w0.25: SW63.1 209.26,21.84 SW76.1 209.26,47.86 204.84,52.28 SW75.1 204.14,59.29 SW74.1 v1(208.97,83.05) 217.41,91.49 SW73.1 223.55,101 SW72.1
  Bottom w0.25: SW63.1 213.8,17.29 SW56.1 ; U3.33 228.05,60.17 228.4,60.52 228.4,78.72 227.2,79.92 225.2,79.92 v1(208.97,83.05)
/col11: length 124.7
  Top w0.25: SW78.1 245.91,118.68 SW79.1 245.9,95.68 245.9,93.94 246.4,93.44 246.4,79.46 SW80.1 243.7,74.2 243.7,65.62 244.8,64.52 244.8,61.82 SW81.1 244.8,53.06 v1(244.8,45.84) 244.75,45.8 SW82.1 245.8,35.98 245.8,21.21 SW69.1
  Bottom w0.25: U3.3 234.55,46.27 235,45.82 244.77,45.82 v1(244.8,45.84)
/col12: length 131.8
  Top w0.25: SW85.1 264.55,122.71 SW86.1 261.06,96.16 SW87.1 261.06,77.69 261.8,76.94 261.8,76.02 267.81,70.01 v1(267.81,65.11) SW88.1 263.39,56.98 SW89.1
  Bottom w0.25: v1(267.81,65.11) 259.2,63.22 259.2,60.02 256.3,57.12 256.3,54.22 254.2,52.12 243.8,52.12 242.5,50.82 239.5,50.82 239.05,50.37 U3.62
/col13: length 196.4
  Top w0.25: SW91.1 296.69,119.73 283.18,106.23 SW92.1 279.69,100.13 SW93.1 280.8,82.29 280.8,80.42 286.45,74.77 v1(286.45,69.96) SW94.1 282.02,60.94 SW95.1 276.6,39.52 276.6,27.16 SW71.1
  Bottom w0.25: v1(286.45,69.96) 258.7,63.72 258.7,60.34 255.75,57.4 255.75,54.47 254,52.72 243.5,52.72 242.15,51.37 239.25,51.37 238.75,50.87 U3.61 ; SW71.1 277.87,23.64 268.67,23.64 SW70.1 265.5,22.26 SW77.1
/col14: length 200.5
  Top w0.25: SW96.1 315.74,125.96 301.82,112.03 SW97.1 298.32,104.09 SW98.1 299.2,86.48 299.2,84.22 305.08,78.34 v1(305.08,75) SW99.1 306.2,68.2 306.2,62.22 300.65,56.67 SW100.1 301.8,47.76 301.8,45.42 305.95,41.27 SW90.1
  Bottom w0.25: U3.59 241.85,51.87 243.4,53.42 249.1,53.42 249.7,54.02 249.7,55.28 251.08,56.65 251.08,56.67 252.85,58.44 256.03,58.44 258.25,60.67 258.25,64.22 v1(305.08,75) ; SW90.1 306.45,29.06 SW84.1 308.75,29.56 SW83.1
/col15: length 185.1
  Top w0.25: SW105.1 328.09,57.46 SW104.1 327.37,70.76 v1(321.16,76.97) 320.51,77.61 SW103.1 320.51,107.41 322.96,109.86 SW102.1 334.79,121.26 SW101.1
  Bottom w0.25: v1(321.16,76.97) 320.91,77.22 311.8,77.22 257.7,64.72 257.7,61.02 255.63,58.94 252.72,58.94 250.63,56.86 250.63,56.84 249.78,55.99 248.07,55.99 246.34,54.27 243.25,54.27 241.35,52.37 U3.58
/col16: length 233.6
  Top w0.25: SW106.1 350.94,38.48 341.49,47.93 SW111.1 341.49,58.31 347.19,64.01 SW110.1 347.19,77.23 v1(347,77.42) 339.57,84.85 SW109.1 339.57,106.5 341.96,108.9 SW108.1 353.84,120.35 SW107.1
  Bottom w0.25: U3.57 240.95,52.87 246.1,58.02 247.3,58.02 248.73,59.44 255.43,59.44 257.2,61.22 257.2,65.12 311.7,77.67 346.75,77.67 v1(347,77.42)
/col17: length 218.4
  Top w0.25: SW114.1 361.49,102.91 358.62,100.03 SW115.1 358.62,87.73 359.2,87.15 v1(359.2,77.92) 359.2,60.2 SW117.1 367.64,46.78 377.59,36.83 SW112.1
  Bottom w0.25: U3.56 240.65,53.37 245.8,58.52 247.1,58.52 249.29,60.7 252.06,60.7 256.7,65.34 256.7,65.62 311.2,78.02 311.6,78.12 359,78.12 v1(359.2,77.92)
/col18: length 276.6
  Top w0.25: SW113.1 SW119.1 380.54,108.2 381.6,107.14 381.6,105.12 382.43,104.29 SW121.1 382.43,75.13 SW116.1 378.09,67.73 396.64,49.18 SW122.1 SW118.1
  Bottom w0.25: SW116.1 371.35,70.8 367.1,75.04 367.1,77.82 366.25,78.67 311.65,78.67 256.2,66.12 256.2,65.48 251.87,61.15 249.1,61.15 246.91,58.97 245.61,58.97 240.51,53.87 U3.55 ; SW119.1 371.03,108.86 SW120.1
/col19: length 299.5
  Top w0.25: SW124.S1 422.02,134.97 SW124.S1 422.12,128.79 424.5,126.42 424.5,119.52 415.74,110.76 SW125.1 SW126.1 SW127.1 415.69,70.76 SW123.1
  Bottom w0.25: U3.53 240.88,54.87 245.53,59.52 246.83,59.52 248.91,61.6 251.69,61.6 255.7,65.62 255.7,66.62 311.43,79.08 311.46,79.12 311.6,79.12 311.6,79.12 311.73,79.15 311.78,79.12 405.3,79.12 406.3,80.12 413.6,80.12 414.4,79.32 415.7,79.32 v1(415.74,79.36)
/ENC0_A: length 285.4
  Top w0.25: SW1.A 7.5,122.32 11.7,118.12 11.7,116.52 15.9,112.32 v1(16,112.32) ; v1(218.1,54.62) 217.7,55.02 217.7,85.32 225.6,93.22 225.6,96.91 v1(224.99,97.53)
  Bottom w0.25: v1(224.99,97.53) 154.1,112.84 154.07,112.84 150.94,109.72 142.42,109.72 140.62,111.52 131.68,111.52 128.91,108.74 124.1,108.74 121.83,111.02 112.1,111.02 110.2,112.92 18.9,112.92 17.8,111.82 16.5,111.82 v1(16,112.32) ; U3.29 224.72,55.37 223.3,53.94 218.77,53.94 v1(218.1,54.62)
